# Altium PCB TKN.PcbDoc (part 1 of 2)
Units mil, origin at the board's own origin, x right, y up, seen from the top; angles counter-clockwise.
Board outline 4865.03 x 3045.03 mil, 2 copper layers (Top Layer, Bottom Layer); 16 components, 15 nets, 94 pads, 0 vias.
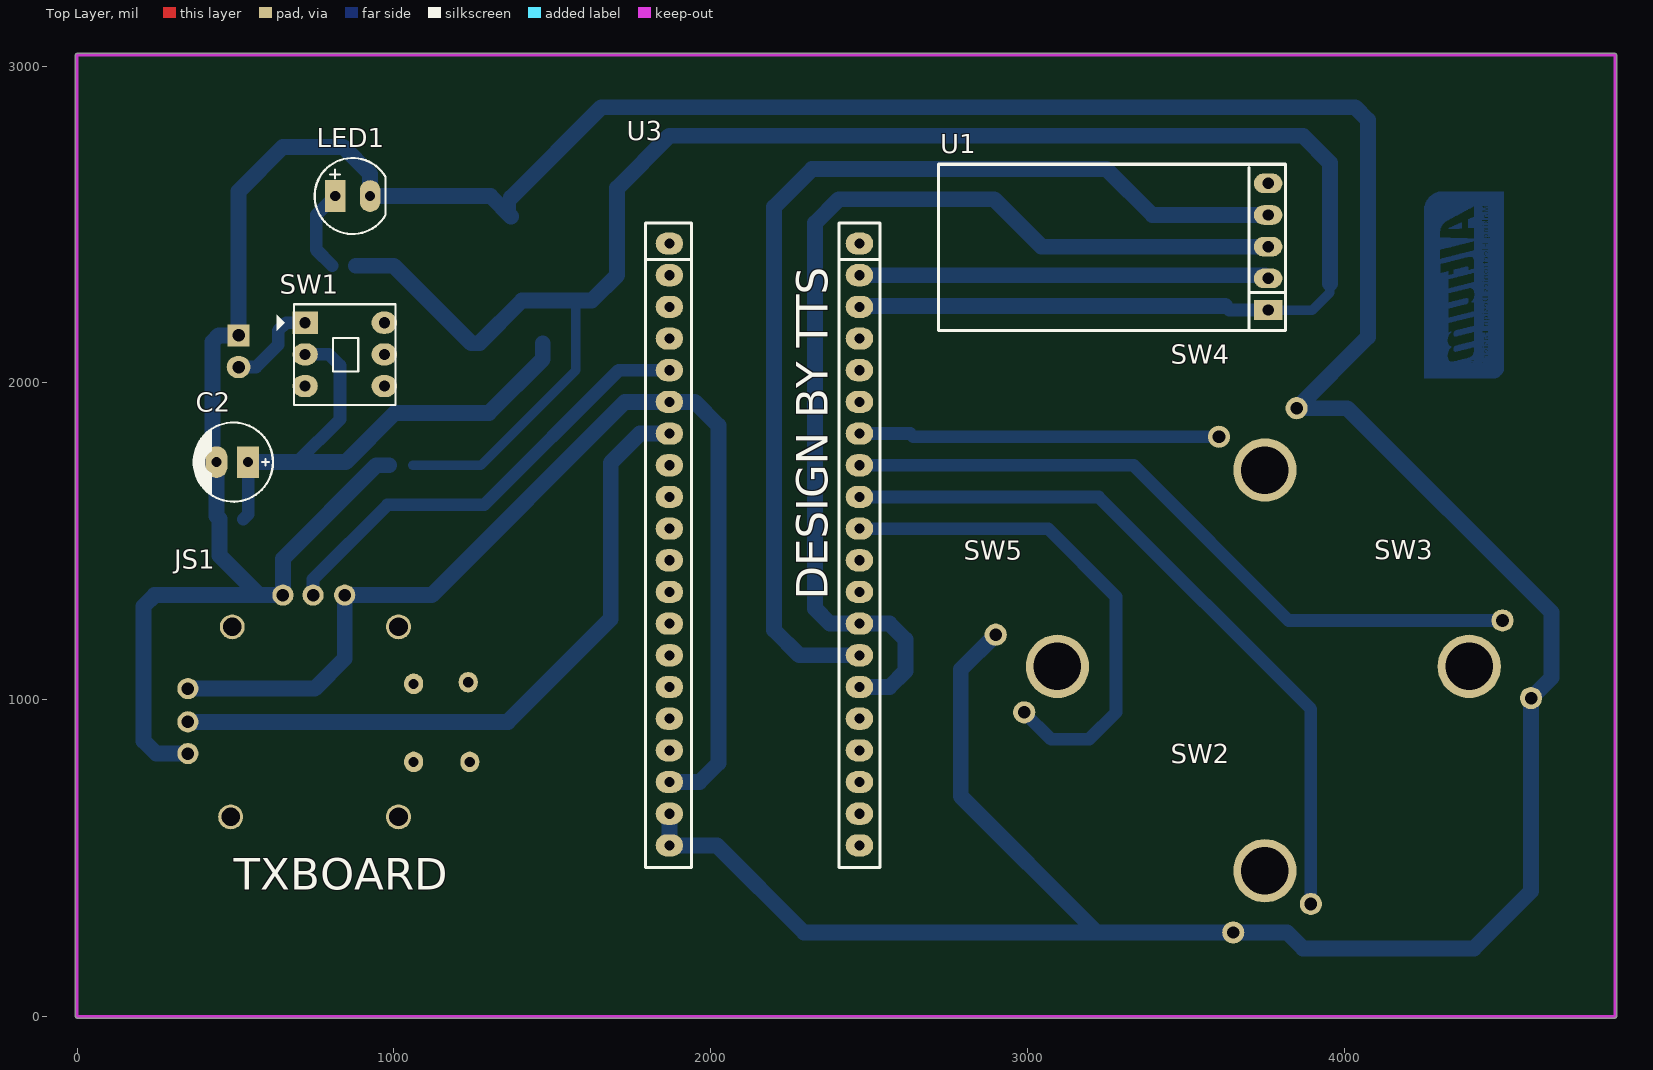
[diagram p0: Top Layer view]
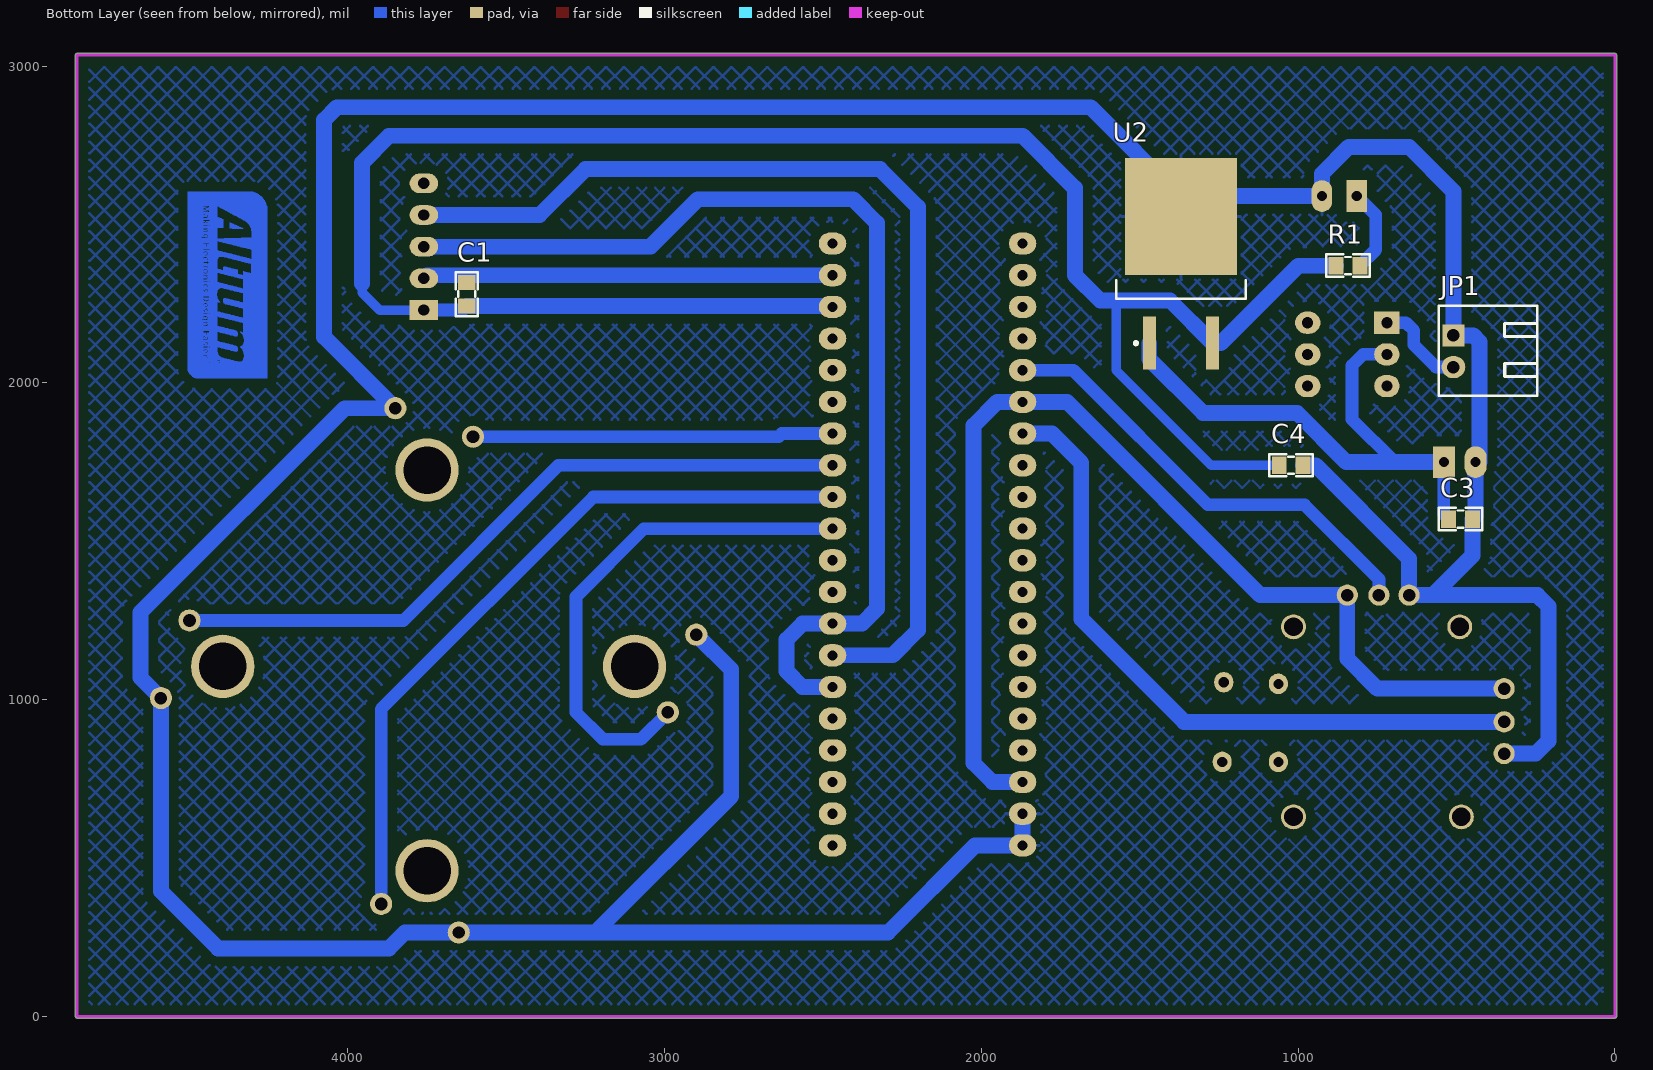
[diagram p1: Bottom Layer view, seen from below]
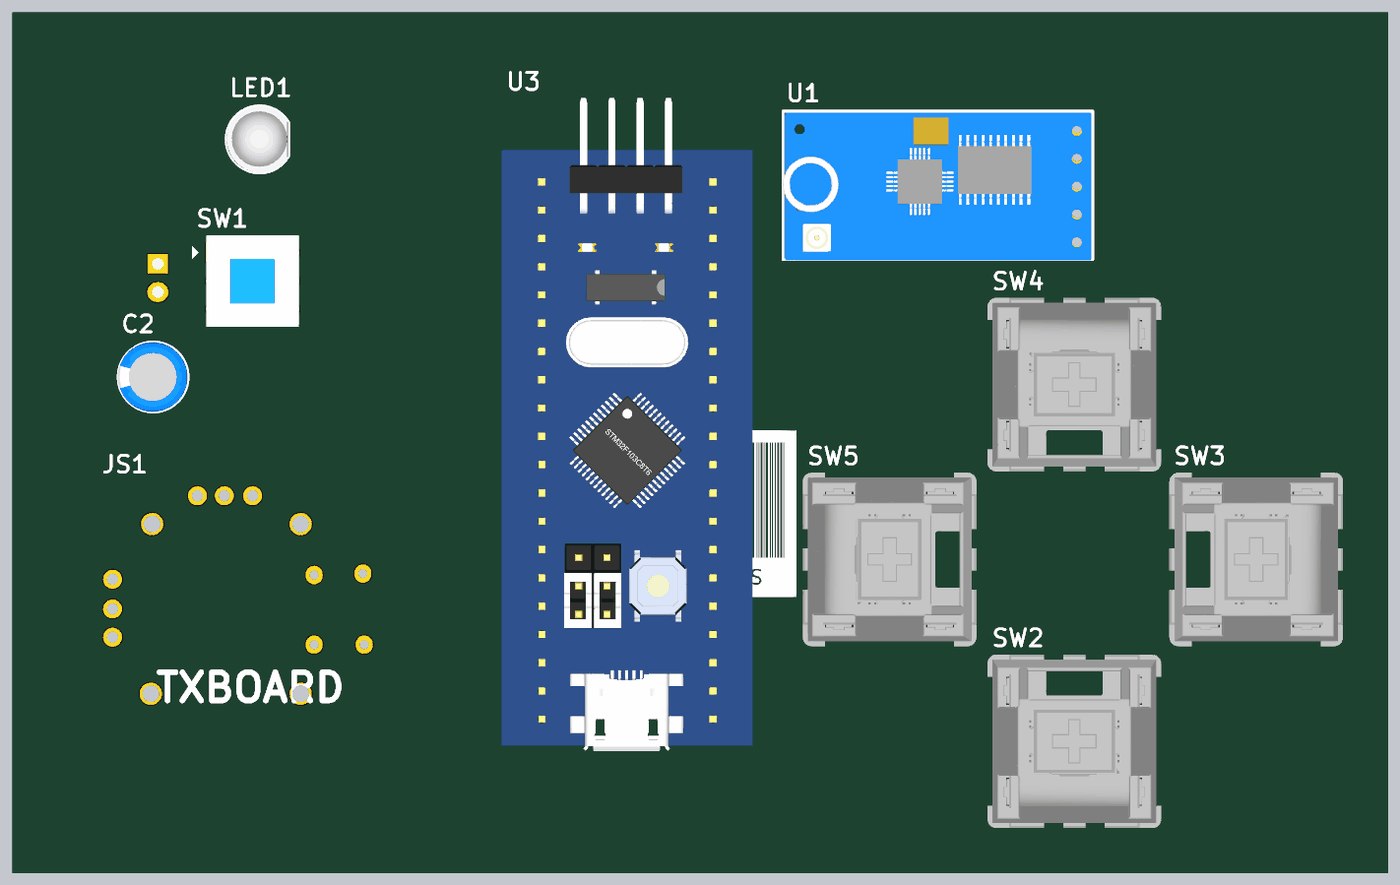
[diagram p3: 3D render of the assembled board from above, using the file's embedded part models]
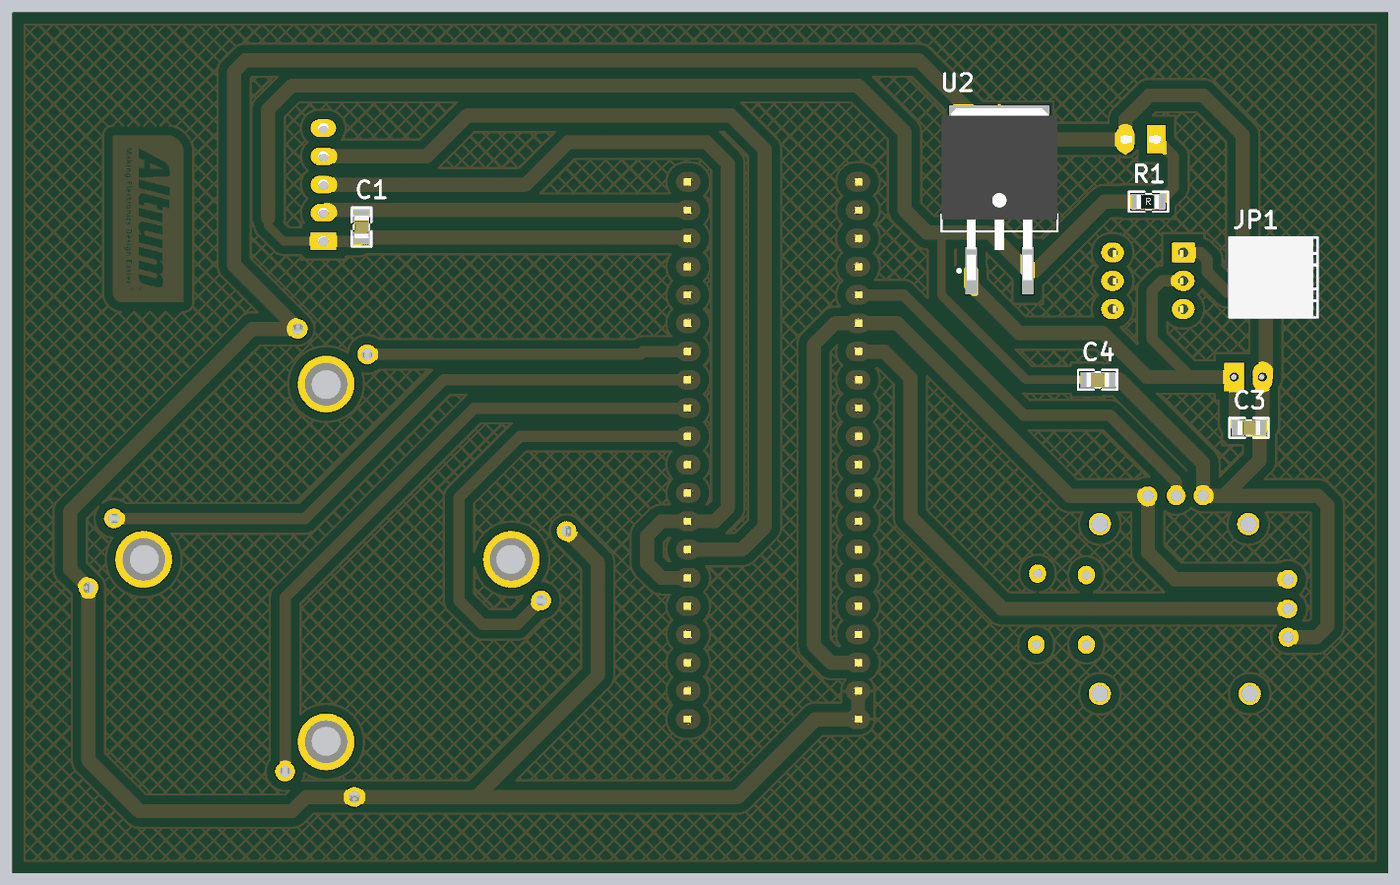
[diagram p4: 3D render of the assembled board from below, using the file's embedded part models]

## Layer stack, top to bottom
Top Solder: solder mask 0.4, Solder Resist, Dk 3.5
Top Layer: signal copper 1.4
Dielectric 1: dielectric 12.6, FR-4, Dk 4.8
Bottom Layer: signal copper 1.4
Bottom Solder: solder mask 0.4, Solder Resist, Dk 3.5

## Board outline
-5.01,0 -5.02,3035 cw(c0,3035) 0,3040.02 4855,3040.02 cw(c4855,3035) 4860.01,3035 4860.01,0 cw(c4855,0) 4855,-5.02 0,-5.02 cw(c0,0)

## Design rules (kind name [scope] priority, off if disabled: settings)
Clearance [All] p1: gap=30 ignorepadtopadclearanceinfootprint=FALSE
PlaneConnect [All] p1: planeconnectstyle=Relief reliefexpansion=20 reliefentries=4 reliefconductorwidth=30 reliefairgap=10
PolygonConnect [All] p1: connectstyle=Relief reliefconductorwidth=10 reliefentries=4 polygonreliefangle="90 Angle" airgapwidth=10
RoutingVias [All] p1: holewidth=28 width=50 viastyle="Through Hole" minholewidth=28 minwidth=50 maxholewidth=28 maxwidth=50
SolderMaskExpansion [All] p1: expansion=4
Width [All] p1: maxlimit=50 minlimit=30 preferedwidth=40
29 further rules are at their usual default settings.

## Components (designator, comment, footprint, x,y, rotation, side; value= is the part's Value field where it differs from the comment)
C1 "104" "tu 0805" 3625,2280 r90 bottom
C2 "100uF 16V" "TU HOA_2.5" 540,1750 r180 top
C3 "104" "tu 0805" 487.77,1570.13 r180 bottom
C4 "104" "tu 0805" 1022.57,1740.13 r180 bottom
JP1 "Header 1_2.54_2P" "Header_Duc Cong_2P 2.54" 510,2150 r90 bottom
JS1 "PS2 JoyStick" "PS2 JoyStick" 305,1380 r270 top
LED1 "LED 5mm Do" "LED 5mm DO" 870,2590 r0 top
R1 "10k" "tro smd 0805" 842.77,2372.39 r180 bottom
SW1 "MH001423" SW6 720,2190 r0 top
SW2 "Switch Key" "Switch Key" 3450,770 r270 top
SW3 "Switch Key" "Switch Key" 4085,804.99 r0 top
SW4 "Switch Key" "Switch Key" 4050.01,1415 r90 top
SW5 "Switch Key" "Switch Key" 3405,1405 r180 top
U1 "HC 12" "HC 12" 3760,2230 r180 top
U2 "LM7805" DPAK254P1542X460-3M 1370,2377.36 r90 bottom
U3 "Using STM32F103C8 MCU" "STM32 BluePill" 2465,540 r180 top

## Footprints (in the part's own frame and the unit in brackets; to place one, negate y for a bottom-side part, rotate by r counter-clockwise, add the part's x,y. Pads: shape width x height; smd on the part's side, far side on the other; paste and mask are expansions set on the pad)
DPAK254P1542X460-3M [mm] "D2-PAK, 3-Pads, Body 7.78x8.56mm (max), IPC Low Density"
  rect 4.25x1.05 smd: 1(-6.4,2.54) 3(-6.4,-2.54)
  rect 9.4x9 smd: 2(3.75,0)
  silkscreen extent -6.52,-5.2 -1.35,5.2, body extent -7.24,-5.2 8.19,5.2, height 4.63
"HC 12" [mil]
  rect 90x62 hole 36: 1(0,0)
  oval 90x62 hole 36: 2(0,-100) 3(0,-200) 4(0,-300) 5(0,-400)
  silkscreen extent -55,-460 1040,65, body extent -50,-455 1040,69, height 1020
"Header_Duc Cong_2P 2.54" [mil]
  rect 70x70 hole 39.37 unplated: 1(0,0)
  oval 70x75 hole 39.37 unplated: 2(-100,0)
  silkscreen extent -190,-265 93,47, body extent -190,-250 90,50, height 237
"LED 5mm DO" [mil] "LED 2 PIN, 5 ly , Only colour, pin to pin 110mil"
  rect 65x100 hole 32: 1(-55,0)
  oval 65x100 hole 32: 2(55,0)
  silkscreen extent -120,-120 104,120, body extent -116,-117 98,120, height 339
"PS2 JoyStick" [mm]
  oval 1.651x1.524 hole 0.813: 1(14.641,23.745) 2(14.641,19.245) 3(8.255,23.622) 4(8.382,19.245)
  round 1.7 hole 1: 5(1.27,13.716) 6(1.27,11.176) 7(1.27,8.763) 8(8.763,1.143) 9(11.43,1.143) 10(13.97,1.143)
  round 2 hole 1.5: ""(3.81,18.034) ""(3.81,4.699) ""(19.05,18.034) ""(19.05,4.572)
  body extent -0.07,-0.2 19.45,25.4, height 19.4
"STM32 BluePill" [mil]
  oval 86.61x70 hole 32: 1(-5,0) 2(-5,-100) 3(-5,-200) 4(-5,-300) 5(-5,-400) 6(-5,-500) 7(-5,-600) 8(-5,-700) 9(-5,-800) 10(-5,-900) 11(-5,-1000) 12(-5,-1100) 13(-5,-1200) 14(-5,-1300) 15(-5,-1400) 16(-5,-1500) 17(-5,-1600) 18(-5,-1700) 19(-5,-1800) 20(-5,-1900) 21(595,-1900) 22(595,-1800) 23(595,-1700) 24(595,-1600) 25(595,-1500) 26(595,-1400) 27(595,-1300) 28(595,-1200) 29(595,-1100) 30(595,-1000) 31(595,-900) 32(595,-800) 33(595,-700) 34(595,-600) 35(595,-500) 36(595,-400) 37(595,-300) 38(595,-200) 39(595,-100) 40(595,0)
  body extent -147,-2196 739,113, height 571
SW6 [mil] "SW DTDP - 6Pin 260x300x300 mil"
  rect 80x70 hole 35: 1(0,0)
  oval 80x70 hole 35: 2(0,-100) 3(0,-200) 4(250,-200) 5(250,-100) 6(250,0)
  silkscreen extent -90,-260 285,58, body extent -33,-259 281,55, height 532
"Switch Key" [mil]
  round 70 hole 40: 1(415,445)
  round 70 hole 39.37: 2(505,200)
  round 200 hole 150: ""(310,300)
  body extent 1,-7 615,607, height 611
"tro smd 0805" [mm]
  rect 1.2x1.4 smd: 1(-0.946,-0.061) 2(0.954,-0.061)
  silkscreen extent -1.75,-0.97 1.75,0.84, body extent -1.56,-0.76 1.44,0.64, height 0.53
"tu 0805" [mm] "Compoment SMD 80x50mil"
  rect 1.2x1.4 smd: 1(-0.946,-0.003) 2(0.954,-0.003)
  silkscreen extent -1.75,-0.89 1.75,0.89, body extent -1.01,-0.64 1.01,0.63, height 0.61
"TU HOA_2.5" [mil] "Tu hoa 33 >100 uF,50V, 220uF/16V,25V"
  rect 70x100 hole 32: 1(0,0)
  oval 70x100 hole 32: 2(100,0)
  silkscreen extent -78,-125 172,125, body extent -76,-124 172,124, height 422

## Part data
C1 C3 C4: library part "Tu 0805 104 50V 10%", "Dán", Chung_Loai=Dán, Don_Vi=Con, Ma_Hang=MH004551, So_Chan=2, Ten_Linh_Kien="T? 0805 104-100nF 10% 50V"
C2: library part "Tu 100uF 16V", "C?m", Chung_Loai=Dán, Don_Vi=Con, Ma_Hang=MH001347, Ten_Linh_Kien="T? Hóa 100uF 16V 5x7MM"
JP1 LED1: "C?m", Chung_Loai=C?m
  LED1: Don_Vi=Con, Ma_Hang=MH004935, Ten_Linh_Kien="LED 3MM Xanh Lá ( SS)"
R1: library part "Tro 0805 1% 10k", "Dán", Chung_Loai=Dán, Don_Vi=Con, Ma_Hang=MH005473, So_Chan=2, Ten_Linh_Kien="Tr? 0805 1% 10k"
SW1: library part "Nut Nhan 6 Chan  8x8MM ( Nh?n Gi?)", "C?m", Chung_Loai=C?m, Don_Vi=Con, Ma_Hang=MH001423, Ten_Linh_Kien="Nút Nh?n 6 Chân 8x8MM ( Nh?n Gi?)"
U2: "Regulator 5v"
U3: library part BluePill

## Nets (pads, with @x,y where several pads share a name; then routed paths per layer and width w, separated by ;. In a path a pad name is that pad's centre, name@x,y a point inside that pad or via, vN(x,y) a via of type N, cw(c..) or ccw(c..) an arc to the next point about the centre after c; other vN are vias at no path point)
3V3: JS1.5 JS1.8 U3.26 U3.38 | length 3442.9
  Bottom Layer w50: JS1.8@350,1035 750,1035 845,1130 JS1.5@845,1330 1120,1330 1730,1940 U3.26@1870,1940 1950,1940 2025,1865 2025,800 1965,740 U3.38@1870,740
+5: C1.1 C4.1 R1.1 U1.1 U2.3 U3.18 | length 6427.4
  Bottom Layer w30: C4.1@1059.8,1740 1275,1740 1575,2040 1575,2260 ; U1.1@3760,2230 3900,2230 3955,2285 3955,2313.64
  Bottom Layer w40: C1.1@3624.87,2242.77 3637.64,2230 U1.1@3760,2230
  Bottom Layer w50: R1.1@880,2370 1000,2370 1244.61,2125.39 U2.3@1270,2125.39 1404.61,2260 1575,2260 1625,2260 1705,2340 1705,2615 1870,2780 3870,2780 3955,2695 3955,2313.64 ; U3.18@2470,2240 2472.77,2242.77 C1.1@3624.87,2242.77
BUT1: SW2.1 U3.12 | length 2317.5
  Bottom Layer w40: U3.12@2470,1640 3225,1640 3895,970 SW2.1@3895,355
BUT2: SW4.1 U3.14 | length 1139.1
  Bottom Layer w40: U3.14@2470,1840 2630,1840 2640,1830 SW4.1@3605.01,1830
BUT3: SW5.1 U3.11 | length 1624.5
  Bottom Layer w40: U3.11@2470,1540 3065,1540 3280,1325 3280,960 3195,875 3075,875 SW5.1@2990,960
BUT4: SW3.1 U3.13 | length 2233
  Bottom Layer w40: U3.13@2470,1740 3335,1740 3825.01,1249.99 SW3.1@4500,1249.99
GND: C2.2 C3.2 C4.2 JP1.1 JS1.7 JS1.10 LED1.2 SW2.2 SW3.2 SW4.2 SW5.2 U2.2 U3.39 U3.40 | length 14147.3
  Bottom Layer w30: U2.2@1370,2525 U2.2@1370,2585
  Bottom Layer w50: JS1.10@350,830 250,830 210,870 210,1295 245,1330 575,1330 ; C4.2@985,1740 945,1740 650,1445 JS1.7@650,1330 575,1330 ; U2.2@1370,2525 1305,2590 LED1.2@925,2590 925,2660 840,2745 650,2745 510,2605 JP1.1@510,2150 447.5,2150 427.5,2130 427.5,1750 C2.2@440,1750 440,1580.2 C3.2@450.2,1570 450.2,1454.8 575,1330 ; U2.2@1370,2585 1655,2870 4035,2870 4075,2830 4075,2144.99 SW4.2@3850.01,1920 4010,1920 4655,1275 4655,1069.99 SW3.2@4590,1004.99 4590,395 4410,215 3870,215 3820,265 SW2.2@3650,265 3220,265 ; U3.39@1870,640 U3.40@1870,540 2020,540 2295,265 3220,265 ; SW5.2@2900,1205 2790,1095 2790,695 3220,265
GROUND: C1.2 U1.2 U3.19 | length 1294.1
  Bottom Layer w50: U3.19@2470,2340 3750,2340 U1.2@3760,2330
JOY1: JS1.6 U3.25 | length 1448.4
  Bottom Layer w40: JS1.6@745,1330 745,1380 980,1615 1285,1615 1710,2040 U3.25@1870,2040
JOY2: JS1.9 U3.27 | length 2185.8
  Bottom Layer w50: JS1.9@350,930 1360,930 1685,1255 1685,1748.16 1776.84,1840 U3.27@1870,1840
NetC2_1: C2.1 C3.1 SW1.2 U2.1 | length 1786.6
  Bottom Layer w40: C3.1@525,1570 540,1585 C2.1@540,1750 ; 695,1750 830,1885 830,2055 795,2090 SW1.2@720,2090
  Bottom Layer w50: C2.1@540,1750 695,1750 848.14,1750 1003.14,1905 1300,1905 1470,2075 U2.1@1470,2125.39
NetJP1_2: JP1.2 SW1.1 | length 294.4
  Bottom Layer w40: JP1.2@510,2050 565,2050 635,2120 635,2165 660,2190 SW1.1@720,2190
NetLED1_1: LED1.1 R1.2 | length 265.6
  Bottom Layer w40: R1.2@805.2,2370 755,2420.2 755,2530 LED1.1@815,2590
RX: U1.4 U3.7 | length 3307.9
  Bottom Layer w50: U3.7@2470,1140 2280,1140 2200,1220 2200,2555 2320,2675 3250,2675 3395,2530 U1.4@3760,2530
TX: U1.3 U3.6 U3.8 | length 3332.2
  Bottom Layer w50: U3.6@2470,1040 2565,1040 2615,1090 2615,1190 2565,1240 U3.8@2470,1240 2376.84,1240 2330,1286.84 2330,2505 2405,2580 2895,2580 3045,2430 U1.3@3760,2430
pads on no net: JS1. JS1.1 JS1.2 JS1.3 JS1.4 SW1.3 SW1.4 SW1.5 SW1.6 SW2. SW3. SW4. SW5. U1.5 U3.1 U3.2 U3.3 U3.4 U3.5 U3.9 U3.10 U3.15 U3.16 U3.17 U3.20 U3.21 U3.22 U3.23 U3.24 U3.28 U3.29 U3.30 U3.31 U3.32 U3.33 U3.34 U3.35 U3.36 U3.37